# Altium PCB Toothbrush.PcbDoc
Units mil, origin at the board's own origin, x right, y up, seen from the top; angles counter-clockwise.
Board outline 755.29 x 3923.59 mil, 2 copper layers (Top Layer, Bottom Layer); 112 components, 77 nets, 343 pads, 351 vias.
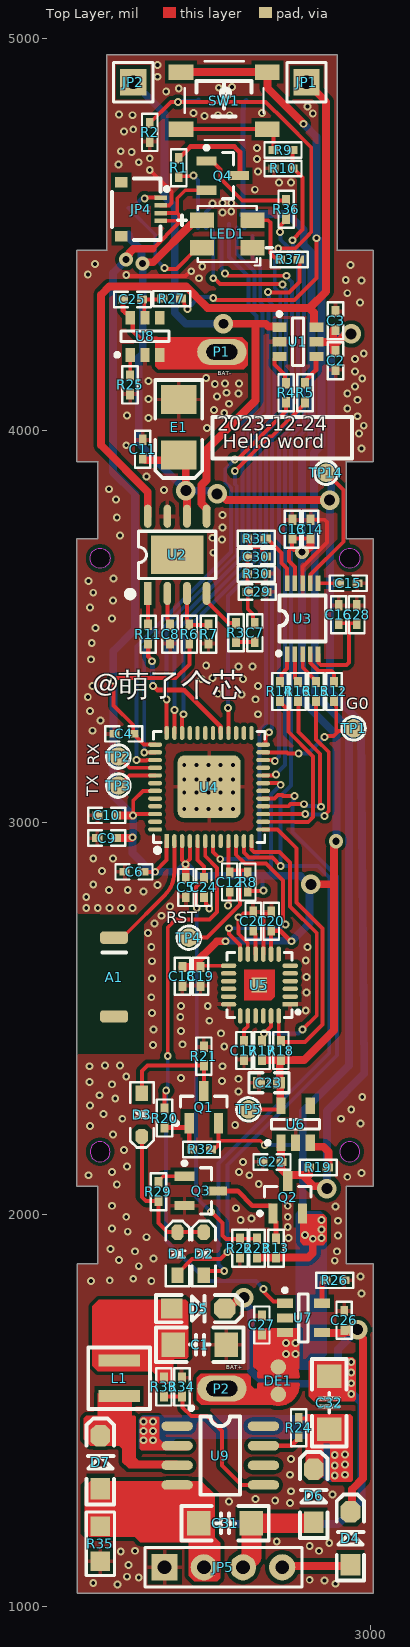
[diagram p0: Top Layer view]
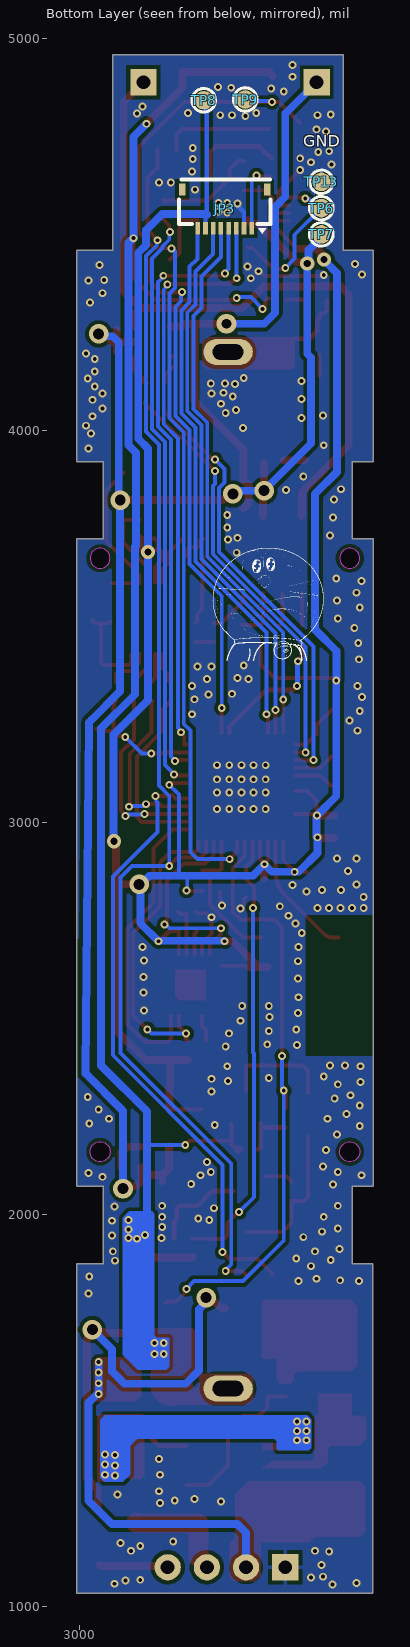
[diagram p1: Bottom Layer view, seen from below]

## Layer stack, top to bottom
Top Solder: solder mask 0.4, Solder Resist, Dk 3.5
Top Layer: signal copper 1.4
Dielectric 1: dielectric 12.6, FR-4, Dk 4.8
Bottom Layer: signal copper 1.4
Bottom Solder: solder mask 0.4, Solder Resist, Dk 3.5

## Board outline
2252.92,1874.54 2305.12,1874.54 2305.12,2071.39 2252.25,2071.39 2252.25,3723.23 2305.12,3723.23 2305.12,3920.08 2252.25,3920.08 2252.25,4459.03 2328.74,4459.03 2328.74,4957.75 2916.11,4957.75 2916.11,4459.03 3007.54,4459.03 3007.54,3920.08 2939.73,3920.08 2939.73,3723.23 3007.54,3723.23 3007.54,2071.39 2939.73,2071.39 2939.73,1874.54 3007.54,1874.54 3007.54,1034.16 2252.92,1034.16
cut-out: 2311.31,3648.11 cw(c2311.31,3673.7) 2285.71,3673.7 cw(c2311.31,3673.7) 2311.31,3699.29 cw(c2311.31,3673.7) 2336.9,3673.7 cw(c2311.31,3673.7)
cut-out: 2948.49,3648.11 cw(c2948.49,3673.7) 2922.9,3673.7 cw(c2948.49,3673.7) 2948.49,3699.29 cw(c2948.49,3673.7) 2974.08,3673.7 cw(c2948.49,3673.7)
cut-out: 2285.71,2160.21 ccw(c2311.3,2160.21) 2311.3,2134.62 ccw(c2311.3,2160.21) 2336.9,2160.21 ccw(c2311.3,2160.21) 2311.3,2185.8 ccw(c2311.3,2160.21)
cut-out: 2922.9,2160.21 ccw(c2948.49,2160.21) 2948.49,2134.62 ccw(c2948.49,2160.21) 2974.08,2160.21 ccw(c2948.49,2160.21) 2948.49,2185.8 ccw(c2948.49,2160.21)

## Design rules (kind name [scope] priority, off if disabled: settings)
Clearance inpolygon [inpolygon] p1: gap=10 ignorepadtopadclearanceinfootprint=FALSE
Clearance [All] p2: gap=5 ignorepadtopadclearanceinfootprint=FALSE
PolygonConnect [All] p1: thpad.connectstyle=Relief thpad.reliefconductorwidth=10 thpad.reliefentries=4 thpad.polygonreliefangle="90 Angle" thpad.airgapwidth=10 smdpad.connectstyle=Relief smdpad.reliefconductorwidth=10 smdpad.reliefentries=4 smdpad.polygonreliefangle="90 Angle" smdpad.airgapwidth=10 via.connectstyle=Direct via.reliefconductorwidth=10 via.reliefentries=4 via.polygonreliefangle="90 Angle" via.airgapwidth=10
RoutingVias [All] p1: holewidth=15 width=30 viastyle="Through Hole" minholewidth=10 minwidth=20 maxholewidth=30 maxwidth=60
SolderMaskExpansion [All] p1: expansion=4 istentingtop=FALSE
Width [InNetClass('All Nets')] p1: maxlimit=50 minlimit=8 preferedwidth=12
30 further rules are at their usual default settings.

## Classes and differential pairs
component class Sensor-LED: C17 C18 C19 C20 C21 LED1 R17 R18 U5
component class Power: C1 C22 C23 C24 C25 C26 C27 C31 C32 D1 D2 D3 D4 D5 D6 D7 DE1 JP5 L1 P1 P2 Q1 Q2 Q3 R13 R19 R20 R21 R22 R23 R24 R25 R26 R27 R29 R32 R33 R34 R35 TP5 U6 U7 U8 U9
component class Main: A1 C2 C3 C4 C5 C6 C7 C8 C9 C10 C11 C12 C13 C14 C15 C16 C28 C29 C30 E1 JP1 JP2 JP3 JP4 Q4 R1 R2 R3 R4 R5 R6 R7 R8 R9 R10 R11 R12 R14 R15 R16 R30 R31 R36 R37 SW1 TP1 TP2 TP3 TP4 TP6 TP7 TP9 TP13 TP14 U1 U2 U3 U4

## Components (designator, comment, footprint, x,y, rotation, side; value= is the part's Value field where it differs from the comment)
A1 "RAINSUN" ANT-Rainsun-AN5120 2346.93,2606 r270 top
C1 "10uF" C1206_M 2566,1668 r180 top
C2 "100nF" C0402_M 2912,4178 r270 top
C3 "10uF" C0402_M 2912,4280 r90 top
C4 "100nF" C0402_M 2372,3226 r180 top
C5 "100nF" C0402_M 2530,2834 r270 top
C6 "100nF" C0402_M 2398,2874 r180 top
C7 "390nF" C0402_M 2706,3484 r90 top
C8 "1uF" C0402_M 2490,3480 r270 top
C9 "22uF" C0402_M 2328,2960 r180 top
C10 "100nF" C0402_M 2328,3018 r180 top
C11 "100nF" C0402_M 2420,3952 r90 top
C12 "100nF" C0402_M 2642,2848 r90 top
C13 "100nF" C0402_M 2802,3748 r270 top
C14 "1uF" C0402_M 2848,3748 r270 top
C15 "10uF" C0402_M 2944,3610 r0 top
C16 "10uF" C0402_M 2920,3530 r90 top
C17 "2.2uF" C0402_M 2678.45,2418.11 r270 top
C18 "100nF" C0402_M 2521.53,2607.37 r270 top
C19 "47uF/10V" C0402_M 2567.53,2607.37 r270 top
C20 "10nF" C0402_M 2748,2748 r270 top
C21 "100nF" C0402_M 2702,2748 r270 top
C22 "100nF" C0402_M 2750,2134 r0 top
C23 "47uF" C0603_L 2742,2336 r0 top
C24 "100nF" C0402_M 2576,2834 r270 top
C25 "10uF" C0402_M 2394,4334 r0 top
C26 "10uF" C0402_M 2934,1730 r90 top
C27 "10uF" C0402_M 2724,1718 r90 top
C28 "100nF" C0402_M 2966,3530 r90 top
C29 "470pF" C0402_M 2712,3588 r180 top
C30 "2.2uF" C0402_M 2710,3678 r180 top
C31 "27nf NPO" C1206_M 2630,1212 r0 top
C32 "10uF" C1206_M 2896,1520 r270 top
D1 "1N4148" SOD-323 2509,1900 r90 top
D2 "1N4148" SOD-323 2576,1900 r90 top
D3 "1N4148" SOD-323 2418,2254 r270 top
D4 "1N5822" SOD-123 2950,1174 r90 top
D5 "1N5822" SOD-123 2562,1760 r0 top
D6 "1N5822" SOD-123 2856,1282 r90 top
D7 "1N5822" SOD-123 2312,1368 r90 top
DE1 "DEBUG PAD" DEBUG_A 2766,1576 r270 top
E1 "220uF/6.3V" C_3528 2512,4008 r90 top
JP1 "HDR-1x1" HDR2.54-LI-1P 2838,4888 r0 top
JP2 "HDR-1x1" HDR2.54-LI-1P 2396,4888 r0 top
JP3 "CON-8P" FPC0.5-WT-8P-H1.0 2522.2,4634.11 r0 bottom
JP4 "CON-4P" FPC0.5-WT-4P-H1.0 2464.01,4485.41 r90 top
JP5 "HDR-1X4" HDR2.54-LI-4P 2626,1100 r0 top
L1 "10uH" SWPA3012 2360,1582 r90 top
LED1 "WS2812" "LED 3535" 2558,4428.92 r0 top
P1 "PAD_1" PAD-3.2X1.7 2622,4200 r0 top locked
P2 "PAD_1" PAD-3.2X1.7 2622,1556 r0 top locked
Q1 "SS8550" SOT23-3N 2576,2274 r90 top
Q2 "AO3415A" SOT23-3N 2790,2044 r90 top
Q3 "SS8050" SOT23-3N 2568,2060 r0 top
Q4 "SS8550" SOT23-3N 2624,4650 r0 top
R1 "10R" R0402_M 2512,4670 r90 top
R2 "10K" R0402_M 2438,4760 r90 top
R3 "10K" R0402_M 2658,3484 r90 top
R4 "1K" R0402_M 2786,4096 r270 top
R5 "1K" R0402_M 2834,4096 r270 top
R6 "1K" R0402_M 2539,3480 r270 top
R7 "1K" R0402_M 2588,3480 r270 top
R8 "10K" R0402_M 2688,2848 r270 top
R9 "1K" R0402_M 2778,4715.12 r0 top
R10 "2K" R0402_M 2778,4668.24 r180 top
R11 "1K" R0402_M 2434,3480 r90 top
R12 "10K" R0402_M 2908,3334 r270 top
R13 "100K" R0402_M 2760,1914 r270 top
R14 "10K" R0402_M 2770,3334 r90 top
R15 "10K" R0402_M 2862,3334 r90 top
R16 "10K" R0402_M 2816,3334 r90 top
R17 "10K" R0402_M 2724.45,2418.11 r90 top
R18 "10K" R0402_M 2772.45,2418.11 r90 top
R19 "100K" R0402_M 2868,2120 r0 top
R20 "100K" R0402_M 2476,2246 r90 top
R21 "100K" R0402_M 2576,2404 r270 top
R22 "1M" R0402_M 2668,1914 r90 top
R23 "2M" R0402_M 2712,1914 r270 top
R24 "100K" R0402_M 2818,1456 r270 top
R25 "1K" R0402_M 2388,4116 r90 top
R26 "1.4K" R0402_M 2910,1832 r0 top
R27 "1K" R0402_M 2494,4336 r0 top
R29 "10K" R0402_M 2460,2058 r270 top
R30 "47K" R0402_M 2710,3634 r180 top
R31 "1K" R0402_M 2710,3724 r180 top
R32 "10K" R0402_M 2570,2166 r0 top
R33 "6K2" R0402_M 2474,1560 r90 top
R34 "2K" R0402_M 2520,1560 r270 top
R35 "0R" R0805_M 2312,1160 r270 top
R36 "1K" R0402_M 2786,4564 r270 top
R37 "1K" R0402_M 2794,4436 r180 top
SW1 "4x4x1.5" "SW SMD-4*4*1.5" 2627.76,4841.17 r0 top
TP1 "G0" "TEST 1.2" 2958,3240 r180 top
TP2 "RX" "TEST 1.2" 2358,3168 r180 top
TP3 "TX" "TEST 1.2" 2358,3094 r180 top
TP4 "RST" "TEST 1.2" 2538,2706 r0 top
TP5 "TEST" "TEST 1.2" 2690,2268 r90 top
TP6 "WS18B20" "TEST 1.2" 2384,4567 r90 bottom
TP7 "VCC" "TEST 1.2" 2384,4500 r90 bottom
TP8 "PRESS" "TEST 1.2" 2684,4842 r90 bottom
TP9 "PRESS" "TEST 1.2" 2578,4844 r90 bottom
TP13 "GND" "TEST 1.2" 2384,4634 r90 bottom
TP14 "AOUTL" "TEST 1.2" 2888,3892 r90 top
U1 "FM116C" SOT23-6 2816,4226 r0 top
U2 "XPT8871" ESOP8_L 2508,3682.61 r90 top
U3 "CS4344" TSSOP-10_L3.0-W3.0-P0.50-LS4.9-BL 2828,3520 r0 top
U4 "ESP32_SIP" "QFN48 7X7_N" 2589.53,3090.2 r0 top
U5 "MPU6050" "QFN24 4x4_M" 2717.84,2585.26 r90 top
U6 "RT9013-33GB" SOT-23-5 2810,2230 r90 top
U7 "TP4054" SOT23-5 2830,1736 r0 top
U8 "DW06D" SOT23-6L 2426,4240 r90 top
U9 "T3168" SOP8 2509,1461 r0 top

## Footprints (in the part's own frame and the unit in brackets; to place one, negate y for a bottom-side part, rotate by r counter-clockwise, add the part's x,y. Pads: shape width x height; smd on the part's side, far side on the other; paste and mask are expansions set on the pad)
ANT-Rainsun-AN5120 [mm] "选择焊盘"
  rrect50% 0.8x1.8 smd: 1(-2.54,0) ""(2.563,0)
  silkscreen extent -1.57,-0.76 -1.57,0.79, body extent -2.57,-0.91 2.54,0.94, height 1.32
C0402_M [mil] "贴片MLCC电容"
  rect 26x20 smd: 1(-24,0) 2(24,0)
  silkscreen extent -47,-20 47,20, body extent -20,-10 20,10, height 21
C0603_L [mil] "贴片MLCC电容"
  rect 30x30 smd: 1(-25.59,0) 2(25.59,0)
  silkscreen extent -51,-26 51,26, body extent -31,-16 32,16, height 33
C1206_M [mil] "贴片MLCC电容"
  rect 60x62.99 smd: 1(-67.5,0) 2(67.5,0)
  silkscreen extent -112,-44 112,44, body extent -63,-32 63,32, height 50
C_3528 [mil] "长3.5mm，宽2.8mm，厚1.9mm            联系卖家 免费查找封装"
  rect 75x90 smd: 1(-70.87,-0.01) 2(70.86,-0.01)
  silkscreen extent -130,-60 120,60, body extent -69,-55 69,55, height 76
DEBUG_A [mm] "调试断点焊盘"
  round 1 smd paste-1: 1(-0.889,0) 2(0.889,0)
  Top Layer region: -0.254,1.27 -0.254,-1.27 -0.762,-1.143 -1.397,-0.508 -1.524,0.254 -1.27,0.762 -1.016,1.016 -0.508,1.27
  Top Layer region: 0.254,1.27 0.254,-1.27 0.762,-1.143 1.397,-0.508 1.524,0.254 1.27,0.762 1.016,1.016 0.508,1.27
  Top Layer lines w0.254: 0.254,-1.27 ccw(c0.254,0) 0.254,1.27 0.254,-1.27 ; -0.254,-1.27 cw(c-0.254,0) -1.332,0.672 cw(c-0.254,0) -0.254,1.27 -0.254,-1.27
ESOP8_L [mm] "5*6*1.8mm（长宽高）"
  rect 1.5x0.5 smd: 1(-2.5,1.905)
  oval 1.5x0.5 smd: 2(-2.5,0.635) 3(-2.5,-0.635) 4(-2.5,-1.905) 5(2.5,-1.905) 6(2.5,-0.635) 7(2.5,0.635) 8(2.5,1.905)
  rect 2.5x3.4 smd paste-2: 9(0,0)
  rect 0.9x0.7 on Top Paste: 10(-0.625,1.1) 10(-0.625,0) 10(-0.625,-1.1) 11(0.65,0) 11(0.65,-1.1) 11(0.65,1.1)
  silkscreen extent -2.69,-2.5 1.52,3.2, body extent -3,-2.5 3,2.5
FPC0.5-WT-4P-H1.0 [mm] "FPC0.5-WT-4P-H1.0"
  rect 0.3x0.8 smd mask+0.102: 1(2.75,-0.051) 2(2.25,-0.051) 3(1.75,-0.052) 4(1.25,-0.052)
  rect 0.7x0.8 smd mask+0.102: 5(0.25,2.5) 6(3.75,2.5)
  silkscreen extent 0,-0.57 4,3.11
FPC0.5-WT-8P-H1.0 [mm] "8P"
  rect 0.3x0.8 smd mask+0.05: 1(1,3) 2(1.5,3) 3(2,3) 4(2.5,3) 5(3,3) 6(3.5,3) 7(4,3) 8(4.5,3)
  rect 0.4x0.8 smd mask+0.05: 9(5.5,0.5) 10(0,0.5)
  silkscreen extent -0.21,-0.16 5.71,3.38
HDR2.54-LI-1P [mm] "排针，1脚                        联系卖家 免费查找封装"
  rect 1.7x1.7 hole 0.9: 1(0,0)
  silkscreen extent -1.27,-1.27 1.27,1.27, body extent -1.27,-1.27 1.27,1.27, height 8.5
HDR2.54-LI-4P [mm] "排针，4脚"
  rect 1.7x1.7 hole 0.9: 1(-3.81,0)
  round 1.7 hole 0.9: 2(-1.27,0) 3(1.27,0) 4(3.81,0)
  silkscreen extent -5.08,-1.27 5.08,1.27, body extent -5.08,-1.27 5.08,1.27, height 2.54
"LED 3535" [mil] "3535"
  rect 60.83x39.25 smd mask+4: 1(13.06,107.08) 2(13.06,37) 3(142,37) 4(142,107.08)
  silkscreen extent -47,-8 193,144
PAD-3.2X1.7 [mm] "过孔焊盘"
  rrect100% 3.2x1.7 hole 1 slot 2 at 0 deg: 1(0,0)
"QFN24 4x4_M" [mm] "24脚，长x宽x高：4x4x1mm，脚距：0.5mm"
  rect 0.3x1 smd: 1(-1.25,-2)
  oval 0.3x1 smd: 2(-0.75,-2) 3(-0.25,-2) 4(0.25,-2) 5(0.75,-2) 6(1.25,-2) 13(1.25,2) 14(0.75,2) 15(0.25,2) 16(-0.25,2) 17(-0.75,2) 18(-1.25,2)
  oval 1x0.3 smd: 7(2,-1.25) 8(2,-0.75) 9(2,-0.25) 10(2,0.25) 11(2,0.75) 12(2,1.25) 19(-2,1.25) 20(-2,0.75) 21(-2,0.25) 22(-2,-0.25) 23(-2,-0.75) 24(-2,-1.25)
  rect 1x1 smd: 25(0,0)
  Top Layer region: -1,1 1,1 1,-1 -0.75,-1 -1,-0.75
  silkscreen extent -2.11,-2.6 2.11,2.11, body extent -2.01,-2.01 2.01,2.01, height 0.95
"QFN48 7X7_N" [mm] "48脚，长x宽x高：7x7x1mm，脚距：0.5mm"
  rect 0.28x0.9 smd: 1(-2.75,-3.5)
  oval 0.28x0.9 smd: 2(-2.25,-3.5) 3(-1.75,-3.5) 4(-1.25,-3.5) 5(-0.75,-3.5) 6(-0.25,-3.5) 7(0.25,-3.5) 8(0.75,-3.5) 9(1.25,-3.5) 10(1.75,-3.5) 11(2.25,-3.5) 12(2.75,-3.5) 25(2.75,3.5) 26(2.25,3.5) 27(1.75,3.5) 28(1.25,3.5) 29(0.75,3.5) 30(0.25,3.5) 31(-0.25,3.5) 32(-0.75,3.5) 33(-1.25,3.5) 34(-1.75,3.5) 35(-2.25,3.5) 36(-2.75,3.5)
  oval 0.9x0.28 smd: 13(3.5,-2.75) 14(3.5,-2.25) 15(3.5,-1.75) 16(3.5,-1.25) 17(3.5,-0.75) 18(3.5,-0.25) 19(3.5,0.25) 20(3.5,0.75) 21(3.5,1.25) 22(3.5,1.75) 23(3.5,2.25) 24(3.5,2.75) 37(-3.5,2.75) 38(-3.5,2.25) 39(-3.5,1.75) 40(-3.5,1.25) 41(-3.5,0.75) 42(-3.5,0.25) 43(-3.5,-0.25) 44(-3.5,-0.75) 45(-3.5,-1.25) 46(-3.5,-1.75) 47(-3.5,-2.25) 48(-3.5,-2.75)
  rrect20% 4.064x4.064 smd: 49(-0.002,0.015)
  rect 1x1 smd mask+0.051: 49(0,0)
  silkscreen extent -3.6,-4.25 3.6,3.6, body extent -3.51,-3.51 3.51,3.51, height 0.95
R0402_M [mil] "1/16W贴片电阻"
  rect 26x20 smd: 1(-24,0) 2(24,0)
  silkscreen extent -47,-20 47,20, body extent -20,-10 20,10, height 12
R0805_M [mil] "1/8W贴片电阻"
  rect 50x50 smd: 1(-45,0) 2(45,0)
  silkscreen extent -81,-36 81,36, body extent -39,-25 39,25, height 20
SOD-123 [mil] "2.7x1.6X1.1mm（长宽高，不包括引脚） 淘宝ID:黄晶宝石"
  rect 55x50 smd: 1(-67.5,0)
  oct 55x50 smd: 2(67.5,0)
  silkscreen extent -108,-35 112,35, body extent -73,-32 73,31, height 50
SOD-323 [mm] "1.8x1.3X0.9mm（长宽高，不包括引脚）联系卖家 免费查找封装"
  rect 1x0.8 smd: 1(-1.4,0)
  oct 1x0.8 smd: 2(1.4,0)
  silkscreen extent -2.11,-0.76 2.11,0.76, body extent -1.32,-0.65 1.32,0.65, height 0.95
SOP8 [mil] "联系卖家 免费查找封装"
  oval 80x24 smd: 1(-1,-1) 2(-1,-51) 3(-1,-101) 4(-1,-151) 5(219,-151) 6(219,-101) 7(219,-51) 8(219,-1)
  silkscreen extent 30,-176 159,50, body extent -12,-173 225,24, height 75
SOT23-3N [mm] "SOT23, 3-Leads, Body 2.9x1.3mm, Pitch 0.95mm, Lead Span 2.4mm, IPC Medium Density  联系卖家 免费查找封装"
  rect 1.3x0.6 smd: 1(-1.05,0.95) 2(-1.05,-0.95) 3(1.05,0)
  silkscreen extent -1.17,-1.5 0.7,1.92, body extent -1.2,-1.5 1.2,1.5, height 1.05
SOT23-5 [mm] "SOT23, 5-Leads, Body 2.9x1.6mm, Pitch 0.95mm, IPC Medium Density                联系卖家 免费查找封装"
  rect 1.05x0.6 smd: 1(-1.2,0.95) 2(-1.2,0) 3(-1.2,-0.95) 4(1.2,-0.95) 5(1.2,0.95)
  silkscreen extent -1.32,-1.55 0.3,1.92, body extent -1.4,-1.5 1.4,1.5, height 1.15
SOT23-6 [mm] "SOT-23, 6-Leads, Body 2.90x1.60mm, Pitch 0.95mm, IPC High Density   联系卖家 免费查找封装"
  rect 0.9x0.6 smd: 1(-1.2,0.95) 2(-1.2,0) 3(-1.2,-0.95) 4(1.2,-0.95) 5(1.2,0) 6(1.2,0.95)
  silkscreen extent -1.32,-1.55 0.35,1.92, body extent -1.4,-1.5 1.4,1.5, height 1.15
SOT23-6L [mm] "SOT-23, 6-Leads, Body 2.90x1.60mm, Pitch 0.95mm, IPC High Density"
  rect 0.9x0.6 smd: 1(-1.2,0.95) 2(-1.2,0) 3(-1.2,-0.95) 4(1.2,-0.95) 5(1.2,0) 6(1.2,0.95)
  silkscreen extent -1.32,-1.55 0.35,1.92, body extent -1.4,-1.5 1.4,1.5, height 1.15
SOT-23-5 [mm] "SOT23, 5-Leads, Body 2.9x1.6mm, Pitch 0.95mm, IPC Medium Density"
  rect 1.05x0.6 smd: 1(-1.2,0.95) 2(-1.2,0) 3(-1.2,-0.95) 4(1.2,-0.95) 5(1.2,0.95)
  silkscreen extent -1.32,-1.55 0.3,1.92, body extent -1.4,-1.5 1.4,1.5, height 1.15
"SW SMD-4*4*1.5" [mm] "轻触开关，长宽高：4*4*1.5mm           淘宝ID:黄晶宝石"
  rect 1.6x1 smd: 1(-2.8,1.85) 2(-2.8,-1.85) 3(2.8,-1.85) 4(2.8,1.85)
  silkscreen extent -2.55,-2.55 2.55,2.55, body extent -3.2,-2.6 3.2,2.6, height 1.5
SWPA3012 [mm] "轮廓3mm*3mm ，焊盘间距1.5mm          淘宝ID:黄晶宝石"
  rect 0.8x2.7 smd: 1(-1.15,0) 2(1.15,0)
  silkscreen extent -2,-2 2,2, body extent -1.5,-1.5 1.5,1.5, height 1.2
"TEST 1.2" [mm] "测试点1.2mm"
  round 1.2 smd paste-1.2: 1(0,0)
  silkscreen extent -0.76,-0.76 0.76,0.76
TSSOP-10_L3.0-W3.0-P0.50-LS4.9-BL [mm]
  rect 0.3x1 smd mask+0.102: 1(-1,-2.3) 2(-0.5,-2.3) 3(0,-2.3) 4(0.5,-2.3) 5(1,-2.3) 6(1,2.3) 7(0.5,2.3) 8(0,2.3) 9(-0.5,2.3) 10(-1,2.3)
  silkscreen extent -1.68,-2.39 1.5,1.5

## Part data
A1: library part ANT-Rainsun-AP5120
C1 C2 C3 C4 C5 C6 C7 C8 C9 C10 C11 C12 C13 C14 C15 C16 C17 C18 C19 C20 C21 C22 C23 C24 C25 C26 C27 C28 C29 C30 C31 C32: library part C, "贴片电容/MLCC电容", BOM名称=无极性贴片电容, 联系下单店铺卖家 免费帮你查找封装="联系下单店铺卖家 免费技术支持"
D1 D2 D3: "开关二极管", BOM名称=高速开关二极管, 以赠品形式获赠本封装库的买家，还可联系卖家免费指导AD软件使用=封装库来自淘宝卖家ID：黄晶宝石
D4 D5 D6 D7: "肖特基二极管", BOM名称=肖特基二极管, 以赠品形式获赠本封装库的买家，还可联系卖家免费指导AD软件使用=封装库来自淘宝卖家ID：黄晶宝石
DE1: library part DEBUG, "调试断点焊盘", BOM名称=调试断点焊盘, 封装库来自淘宝卖家：黄晶宝石=其他店铺购入均为盗版封装库，请立即申请退款，本店现金奖励200~1000元, 联系卖家，免费查找封装=唯一出售店铺网址https://shop463601444.taobao.com
E1: library part CT, "贴片钽电容", BOM名称=贴片钽电容, 联系下单店铺卖家 免费帮你查找封装="联系下单店铺卖家 免费技术支持"
JP1 JP2: library part "Header 1", "1P接插件", BOM名称=2P接插件, 封装库来自淘宝卖家ID：黄晶宝石=其他店铺购入均为盗版封装库，请立即申请退款，本店现金奖励50~200元, 联系卖家，免费查找封装=唯一出售店铺网址https://shop463601444.taobao.com
JP3: library part "Header 8", "8P连接器", BOM名称=8P连接器, 封装库来自淘宝卖家ID：黄晶宝石=唯一出售店铺网址https://shop463601444.taobao.com, 联系卖家 免费技术支持=封装库来自淘宝卖家ID：黄晶宝石, 联系卖家 免费查找封装=封装库来自淘宝卖家ID：黄晶宝石
JP4: library part "Header 4", "4P连接器", BOM名称=4P连接器, 封装库来自淘宝卖家ID：黄晶宝石=唯一出售店铺网址https://shop463601444.taobao.com, 联系卖家 免费技术支持=封装库来自淘宝卖家ID：黄晶宝石, 联系卖家 免费查找封装=封装库来自淘宝卖家ID：黄晶宝石
JP5: library part "Header 4", "4P接插件", BOM名称=4P接插件, 封装库来自淘宝卖家ID：黄晶宝石=其他店铺购入均为盗版封装库，请立即申请退款，本店现金奖励50~200元, 联系卖家，免费查找封装=唯一出售店铺网址https://shop463601444.taobao.com
L1: library part L-SWPA, "顺络_SWPA贴片屏蔽电感", BOM名称=功率屏蔽电感, 联系下单店铺卖家 免费帮你查找封装="联系下单店铺卖家 免费技术支持"
P1 P2: "焊盘"
Q1 Q4: library part 8550-SMD, "高频放大-PNP型", 8元以下特价购入的买家=还可以联系卖家远程指导AD软件使用, BOM名称=高频放大-PNP型, 参数="40V 1.5A 1W 100MHZ"
Q2: "P沟道 20V/4A", 8元以下特价购入的买家=还可以联系卖家远程指导AD软件使用, BOM名称=场效应管, 参数="P沟道 30V/4.2A"
Q3: library part 8050-SMD, "高频放大-NPN型", 8元以下特价购入的买家=还可以联系卖家远程指导AD软件使用, BOM名称=高频放大-NPN型, 参数="40V 1.5A 1W 100MHZ"
R1 R2 R3 R4 R5 R6 R7 R8 R9 R10 R11 R12 R13 R14 R15 R16 R17 R18 R19 R20 R21 R22 R23 R24 R25 R26 R27 R29 R30 R31 R32 R33 R34 R35 R36 R37: library part R, "贴片电阻", BOM名称=贴片电阻, 联系下单店铺卖家 免费帮你查找封装="联系下单店铺卖家 免费技术支持"
SW1: library part "SW SMD-4x4", "贴片4x4轻触开关", BOM名称=贴片4x4轻触开关, 封装库来自淘宝卖家：黄晶宝石=其他店铺购入均为盗版封装库，请立即申请退款，本店现金奖励200~1000元, 联系卖家，免费查找封装=唯一出售店铺网址https://shop463601444.taobao.com
TP1 TP2 TP3 TP4 TP6 TP7 TP8 TP9 TP13 TP14: library part TEST, "测试点", BOM名称=测试点, 封装库来自淘宝卖家：黄晶宝石=其他店铺购入均为盗版封装库，请立即申请退款，本店现金奖励200~1000元, 联系卖家，免费查找封装=唯一出售店铺网址https://shop463601444.taobao.com
TP5: "测试点", BOM名称=测试点, 封装库来自淘宝卖家：黄晶宝石=其他店铺购入均为盗版封装库，请立即申请退款，本店现金奖励200~1000元, 联系卖家，免费查找封装=唯一出售店铺网址https://shop463601444.taobao.com
U1: "电机驱动芯片"
U2: "A/B/D类功放"
U3: "10-Pin, 24-Bit, 192 kHz Stereo D/A Converter"
U4: library part ESP32-PICO, "ESP32 PICO"
U5: "三轴加速度+三轴陀螺仪", 封装库来自淘宝卖家：黄晶宝石=其他店铺购入均为盗版封装库，请立即申请退款，本店现金奖励100~500元, 联系卖家 免费查找封装=唯一出售店铺网址https://shop463601444.taobao.com
U6: "LDO 3.3V/0.5A", BOM名称=RT9193-30GB, 封装库来自淘宝卖家：黄晶宝石=其他店铺购入的买家，请立即申请退款，本店现金奖励200~1000元, 芯片厂商=RICHTEK
U7: "锂电池充电芯片"
U8: "二合一锂电池保护IC"
U9: "T3168无线充芯片"

## Via types
v1: diameter 20, hole 10, Top Layer to Bottom Layer, tented both sides, 338 vias
v2: diameter 50, hole 28, Top Layer to Bottom Layer, tented both sides, 8 vias
v3: diameter 36, hole 18, Top Layer to Bottom Layer, tented both sides, 4 vias
v4: diameter 50, hole 25, Top Layer to Bottom Layer, tented both sides, 1 vias

## Nets (pads, with @x,y where several pads share a name; then routed paths per layer and width w, separated by ;. In a path a pad name is that pad's centre, name@x,y a point inside that pad or via, vN(x,y) a via of type N, cw(c..) or ccw(c..) an arc to the next point about the centre after c; other vN are vias at no path point)
AUDIO-EN: R11.2 U2.1 | length 80.6
  Top Layer w10: U2.1 2433.5,3583.68 2433.5,3504.5 R11.2
AUDIO-OUT: C7.2 C29.2 C30.2 R30.2 | length 178.3
  Top Layer w10: C30.2 2687,3677 2687,3634 2687,3589 C29.2 2688,3544 2701,3531 2701,3513 C7.2
BAT: C27.1 DE1.1 Q1.2 Q2.2 R13.2 R23.2 R27.2 R32.2 SW1.1 SW1.4 U7.3 | length 4306.2
  Top Layer w10: R27.2 2521,4336 2526,4331 2526,4320.71 2534,4312.71 v1(2534,4310) ; R32.2 2599,2171 2607.54,2171 2613.4,2176.86 2613.4,2188 ; v1(2600,4338) 2602.71,4338 2607.63,4333.08 2807.08,4333.08 2863,4389 v1(2863,4490.22) ; Q1.2 2613.4,2188 ; v1(2731.19,2176.76) 2719.95,2188 2613.4,2188
  Top Layer w20: SW1.1@2507.84,4904.31 SW1.1 SW1.4 2738,4874 v1(2830,4782) ; R32.2 R32.2@2597,2166 ; R23.2 R13.2 2842.28,1890 2854,1901.72 v1(2854,1938)
  Bottom Layer w10: v1(2534,4310) 2564,4340 2588,4340 2588.09,4339.91 2598.09,4339.91 v1(2600,4338) ; v1(2731.19,2176.76) 2825.63,2176.76 2828.39,2174
  Bottom Layer w12: 2822.92,1806.92 2828,1812
  Bottom Layer w20: 2828.39,1991.61 2828.39,2174 2828.39,2262.39 2946,2380 2946,3240 2859,3327 2859,3703.67 2857,3705.67 2857,3943 2876,3962 2876,4478 v1@2862,4492 ; v1(2830,4782) 2863,4749 v1(2863,4490.22)
  other v1: 2786,1644 2810,1644 2786,1672 2810,1672 2876,1940 2834,1948 2876,1962 2876,1986
BAT-ADC: C24.1 R22.2 R23.1 U4.5 | length 1144
  Top Layer w10: v1(2558,2782) 2558,2784.71 2556,2786.71 2556,2835 2576,2855 2576,2888 2560,2904 U4.5 ; v1(2593.91,2006) 2596,2006 2624.06,1977.94 2624.06,1945.81 2632.13,1937.73 2667.73,1937.73 R22.2 ; R22.2@2671.7,1938 R23.1@2715.7,1938
  Bottom Layer w10: v1(2558,2782) 2558,2412.6 2556,2410.6 2556,2043.91 v1(2593.91,2006)
BAT-CHARG: R20.2 U4.6 U7.1 | length 1556.1
  Top Layer w10: R20.2 2476,2309.29 2480,2313.29 v1(2480,2316) ; v1(2484,2404) 2484,2732 2504,2752 2590,2752 2610,2772 2610,2884 2579.69,2914.31 U4.6 ; v1@2723.57,1808.43 2753.83,1778.17 2777.99,1778.17 U7.1
  Bottom Layer w10: v1(2484,2404) 2484,2320 v1(2480,2316) 2480,1934 2584,1830 2708.53,1830 v1(2728.31,1810.22)
CHARG-WAKE: D3.1 Q1.3 R21.2 | length 285.3
  Top Layer w10: D3.1 2418,2366 2432,2380 R21.2 Q1.3
GND: C1.1 C2.2 C3.2 C4.2 C5.2 C6.2 C8.2 C9.2 C10.2 C11.2 C12.1 C13.1 C14.1 C15.2 C16.2 C17.2 C18.2 C19.2 C20.1 C21.1 C22.1 C23.1 C24.2 C26.2 C27.2 C28.2 C29.1 E1.2 JP3.2 JP4.2 JP5.1 LED1.3 Q3.2 R2.1 R7.2 R10.2 R21.1 R22.1 R25.1 R26.2 R30.1 R34.1 R35.2 TP13.1 U1.2 U2.7 U3.8 U4.49 U5.1 U5.9 U5.11 U5.18 U6.2 U7.2 U8.2 | length 951.4
  Top Layer w10: v1(2378,4396) 2379.91,4394.09 2386.98,4394.09 2387.07,4394 2529.29,4394 2541.29,4406 v1(2544,4406) ; v1(2438,4664) 2491.75,4610.25 2491.75,4609.59 2493.14,4608.19 2493.14,4579.86 2487.28,4574 JP4.2 ; C24.2 2581,2805 2581,2791.71 2589.86,2782.85 v1(2589.86,2780.14) ; v1(2637.72,2788.28) 2637.72,2790.42 2642,2794.71 C12.1 ; U5.11 2687.97,2664.35 2687.97,2692.03 2664,2716 v1(2664,2758) 2666.71,2758 2677,2768.29 2698.29,2768.29 C21.1 ; U5.9 2727.68,2766.14 2743,2766.14 2748,2771.14 C20.1 ; U3.8 2828.01,3652.01 2890,3714 2890,3766 2884,3772 C14.1
  Bottom Layer w10: JP3.2 2581.26,4557.26 2600,4576 2598.27,4577.73 v1(2598.27,4578.6)
  other v1: 2356,1056 2912,1058 2294,1060 2884,1066 2846,1068 2410,1074 2380,1076 2384,1106 2364,1140 2400,1142 2870,1142 2846,1154 2896,1162 2762,1166 2796,1264 2640,1268 2758,1270 2708,1274 2904,1286 2798,1294 2796,1336 2798,1376 2978,1798 2288,1830 2442,1830 2336,1832 2396,1836 2976,1842 2410,1868 2910,1882 2360,1884 2448,1888 2400,1906 2916,1906 2338,1912 2792,1940 2430,1942 2918,1946 2382,1956 2342,1964 2790,1968 2918,1984 2670,1986 2698,1990 2378,1994 2790,1994 2658,2016 2912,2020 2342,2022 2790,2022 2354,2076 2716,2078 2942,2096 2282,2100 2692,2100 2978,2106 2342,2108 2666,2108 2380,2122 2676,2134 2372,2164 2344,2204 2286,2226 2656,2228 2976,2232 2368,2244 2926,2244 2320,2256 2952,2268 2286,2278 2350,2296 2980,2300 2310,2304 2664,2314 2342,2332 2284,2338 2622,2340 2664,2346 2518,2348 2378,2352 2284,2378 2624,2378 2324,2380 2362,2380 2628,2428 2446,2432 2522,2434 2620,2462 2518,2468 2448,2472 2590,2494 2516,2504 2444,2514 2836,2520 2518,2532 2586,2532 2442,2554 2838,2566 2444,2602 2838,2606 2444,2646 2836,2648 2442,2682 2840,2682 2434,2718 2450,2742 2468,2762 2276,2782 2305.5,2782 2335,2782 2364.5,2782 2394,2782 2490,2786 2276,2810 2422,2824 2334,2828 2382,2828 2458,2840 2294,2842 2316,2876 2294,2908 2344,2908 2526,3034 2557,3034 2588,3034 2619,3034 2650,3034 2526,3076 2557,3076 2588,3076 2619,3076 2650,3076 2526,3110 2557,3110 2588,3110 2619,3110 2650,3110 2526,3146 2557,3146 2588,3146 2619,3146 2650,3146 2292,3234 2312,3260 2714,3276 2286,3284 2708,3314 2280,3320 2672,3326 2612,3328 2292,3348 2714,3348 2570,3366 2676,3366 2598,3368 2664,3398 2700,3398 2582,3400 2288,3416 2290,3458 2300,3496 2342,3520 2286,3548 2344,3566 2294,3586 2282,3616 2346,3622 2600,3688 2622,3722 2598,3726 2362,3732 2624,3752 2354,3778 2624,3784 2352,3824 2474,3848 2334,3850 2430,3882 2978,3954 2378,3962 2972,3992 2584,4006 2984,4012 2435,4032 2968,4036 2380,4038 2628,4044 2602,4052 2942,4056 2640,4068 2968,4078 2435,4080 2610,4086 2664,4094 2942,4094 2634,4096 2962,4112 2604,4118 2630,4120 2666,4120 2435,4126 2980,4132 2582,4134 2962,4150 2962,4182 2984,4196 2974,4326 2942,4350 2978,4382 2938,4384 2564,4388 2280,4398 2572,4418 2950,4422 2298,4424 2624,4556 2646,4558 2624,4580 2646,4580 2706,4614 2768,4632 2798,4632 2714,4660 2358,4678 2410,4684 2712,4692 2438,4694 2392,4710 2364,4712 2712,4720 2372,4762 2396,4768 2578,4802 2394,4804 2612,4804 2642,4804 2360,4806 2854,4808 2550,4810 2724,4810 2840,4826 2480,4864 2512,4872 2614,4874 2648,4876 2458,4902 2458,4932